# KiCad board LivSynth_Hardware.kicad_pcb
title: Liv Synth; date: 2022-09-04; rev: 0v01; company: SloBlo Labs
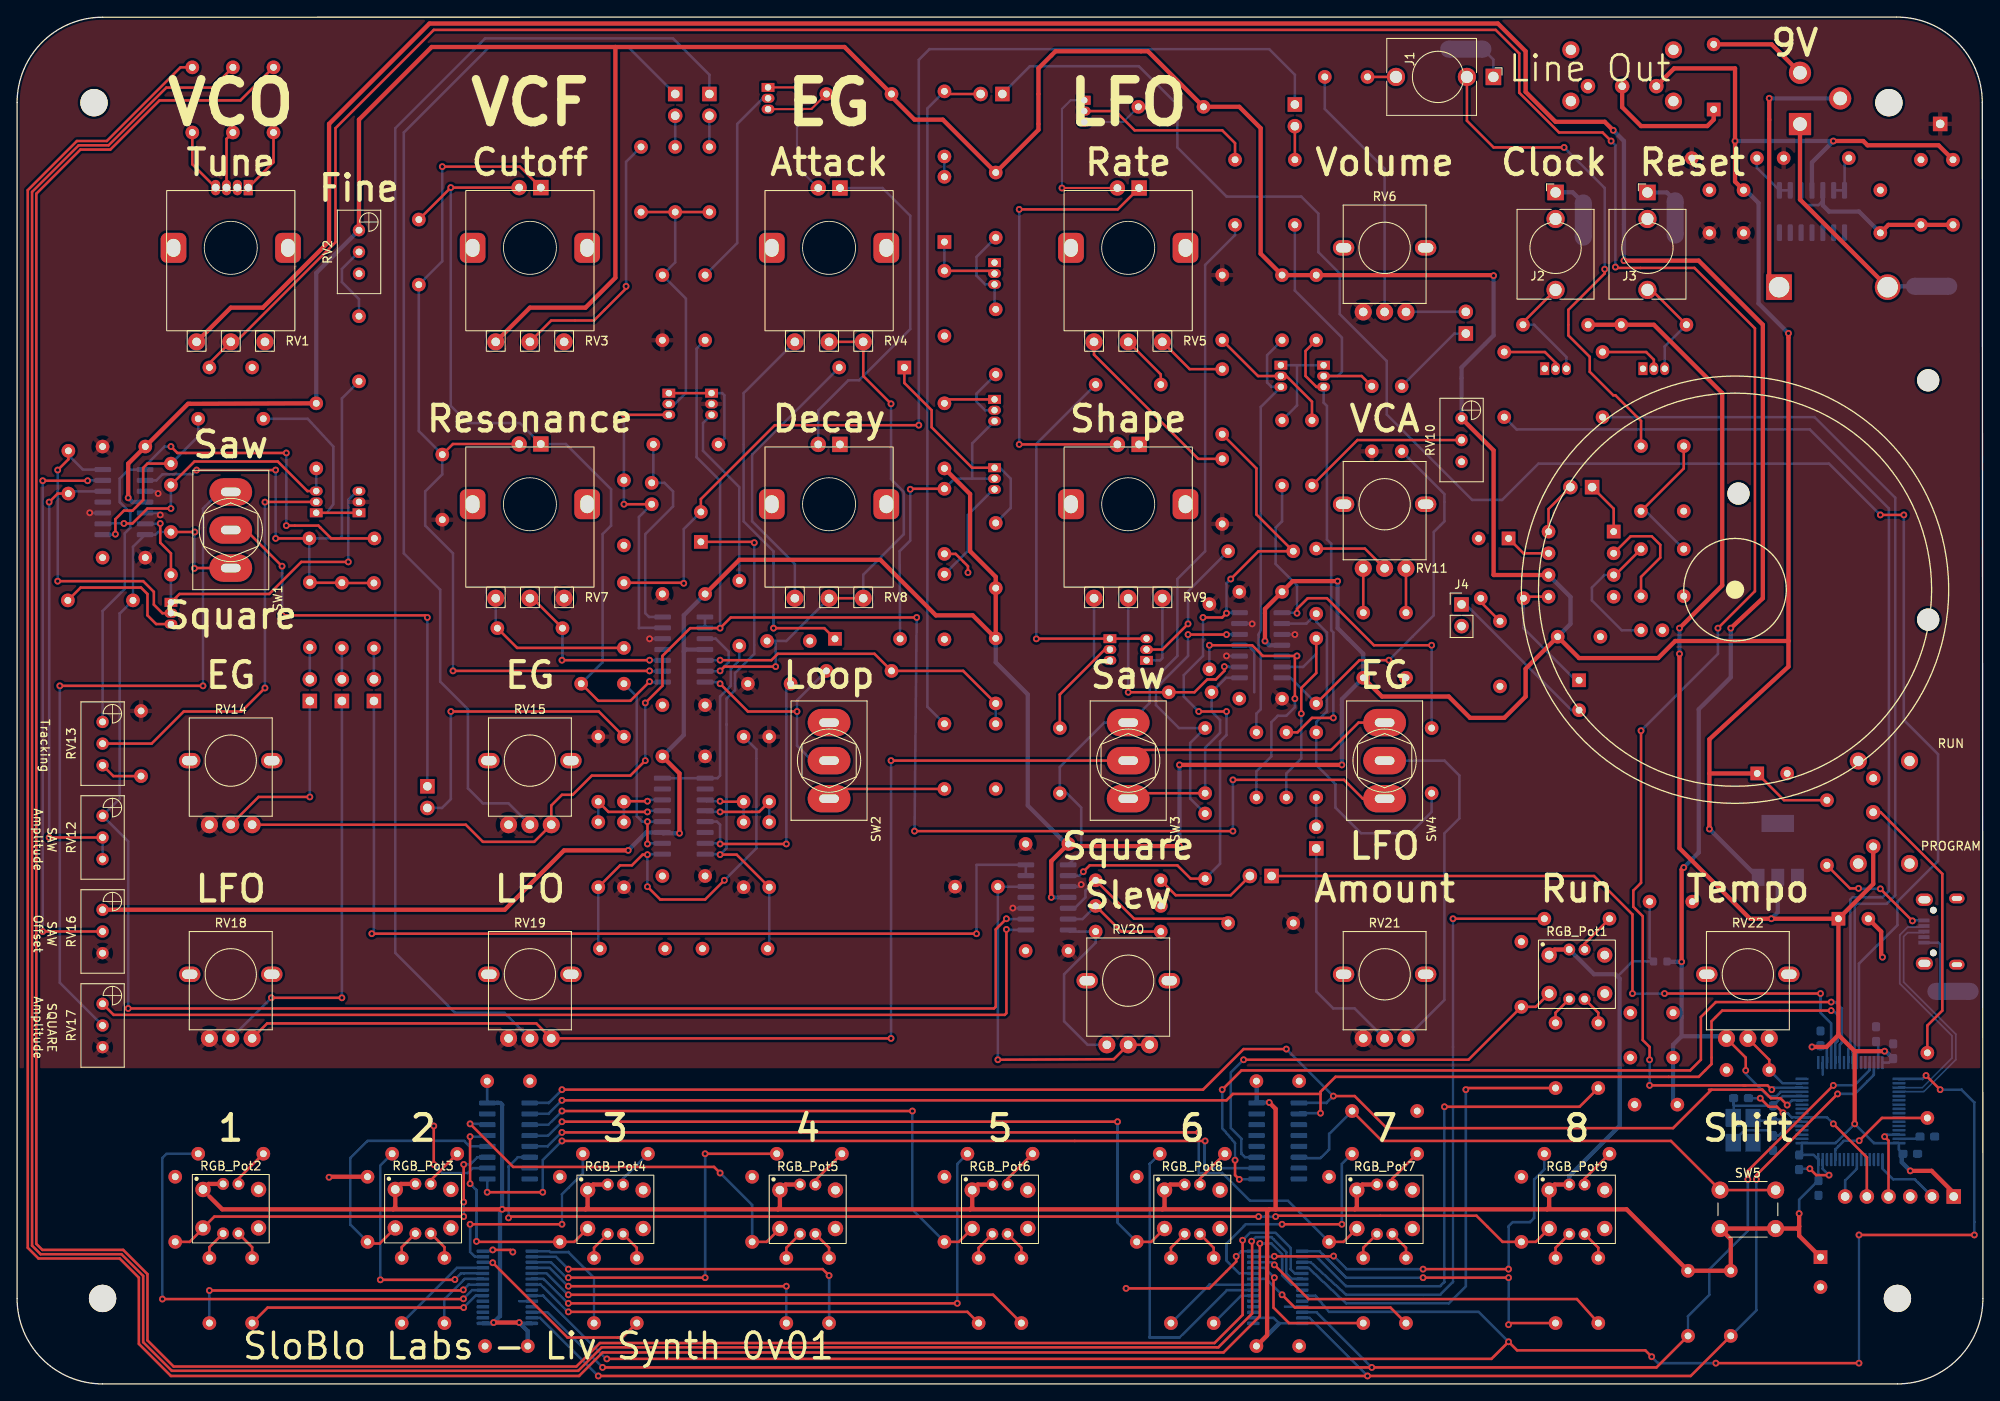
[diagram p0: board, top side]
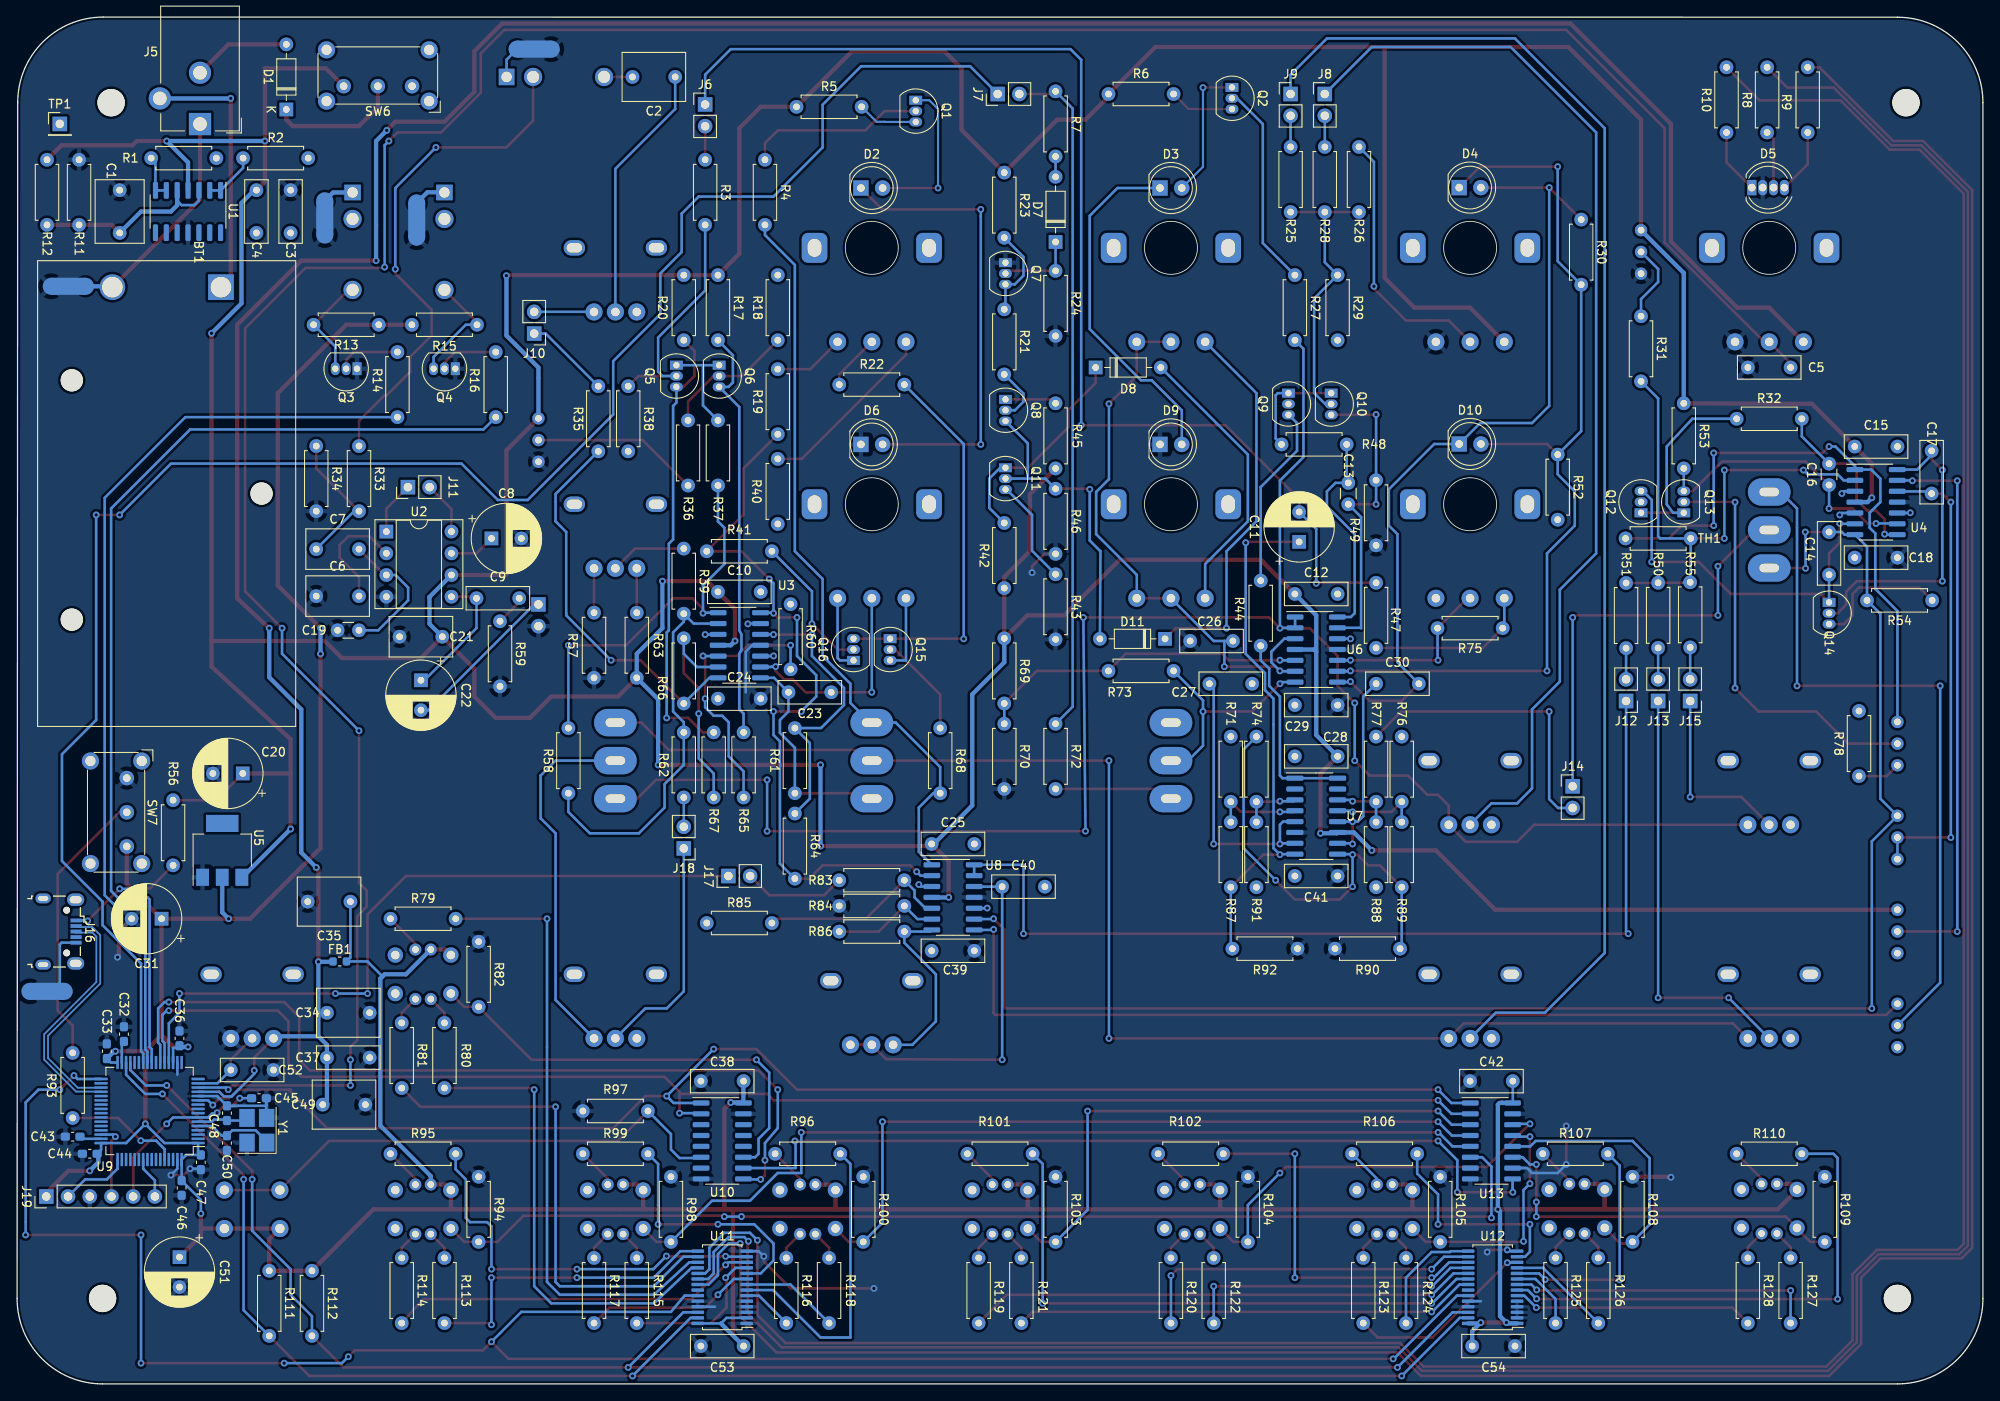
[diagram p1: board, bottom side, seen from below]

Outline 230 x 159.93 mm; copper layers: Top, Bottom (plane). Coordinates in mm from the lower left corner of the outline.
Outline path: 0,149.91 arc(2.93,156.99) 10,159.91 219.93,159.93 arc(227,157) 229.93,149.93 230,10 arc(227.07,2.93) 220,0 10,0 arc(2.93,2.93) 0,10 0,149.91
Stack: Top 0.035mm / dielectric 1.51mm FR4 er 4.5 / Bottom 0.035mm

## Placement (name value [footprint] x y rotation side)
BT1  9V  [BatteryHolder_Eagle_12BH611-GR]  206.15 128.33 90 bottom
C1  1u  [C_Rect_L7.2mm_W5.5mm_P5.00mm_FKS2_FKP2_MKS2_MKP2]  218 134.68 90 bottom
C2  1u  [C_Rect_L7.2mm_W5.5mm_P5.00mm_FKS2_FKP2_MKS2_MKP2]  153 152.93 0 bottom
C3  100n  [C_Rect_L7.2mm_W2.5mm_P5.00mm_FKS2_FKP2_MKS2_MKP2]  198 134.68 90 bottom
C4  100n  [C_Rect_L7.2mm_W2.5mm_P5.00mm_FKS2_FKP2_MKS2_MKP2]  202 139.68 270 bottom
C5  100n  [C_Rect_L7.2mm_W2.5mm_P5.00mm_FKS2_FKP2_MKS2_MKP2]  22.5 118.93 0 bottom
C6  270n  [C_Rect_L7.2mm_W4.5mm_P5.00mm_FKS2_FKP2_MKS2_MKP2]  195 92.18 180 bottom
C7  270n  [C_Rect_L7.2mm_W4.5mm_P5.00mm_FKS2_FKP2_MKS2_MKP2]  195 97.68 180 bottom
C8  10u  [CP_Radial_D8.0mm_P3.50mm]  174.5 98.93 180 bottom
C9  100n  [C_Rect_L7.2mm_W2.5mm_P5.00mm_FKS2_FKP2_MKS2_MKP2]  176.25 91.93 180 bottom
C10  100n  [C_Rect_L7.2mm_W2.5mm_P5.00mm_FKS2_FKP2_MKS2_MKP2]  148 92.68 180 bottom
C11  33u  [CP_Radial_D8.0mm_P3.50mm]  80 98.53 90 bottom
C12  100n  [C_Rect_L7.2mm_W2.5mm_P5.00mm_FKS2_FKP2_MKS2_MKP2]  80.5 92.43 180 bottom
C13  1p  [C_Disc_D3.0mm_W1.6mm_P2.50mm]  74.25 102.93 90 bottom
C14  100n  [C_Rect_L7.2mm_W2.5mm_P5.00mm_FKS2_FKP2_MKS2_MKP2]  18 94.68 90 bottom
C15  100n  [C_Rect_L7.2mm_W2.5mm_P5.00mm_FKS2_FKP2_MKS2_MKP2]  15 109.68 180 bottom
C16  1p  [C_Disc_D3.0mm_W1.6mm_P2.50mm]  18 105.18 90 bottom
C17  1n  [C_Rect_L7.2mm_W2.5mm_P5.00mm_FKS2_FKP2_MKS2_MKP2]  6 104.18 90 bottom
C18  100n  [C_Rect_L7.2mm_W2.5mm_P5.00mm_FKS2_FKP2_MKS2_MKP2]  15 96.68 180 bottom
C19  47p  [C_Disc_D3.0mm_W1.6mm_P2.50mm]  192.5 88.18 180 bottom
C20  10U  [CP_Radial_D8.0mm_P3.50mm]  203.6 71.43 0 bottom
C21  270n  [C_Rect_L7.2mm_W4.5mm_P5.00mm_FKS2_FKP2_MKS2_MKP2]  180.25 87.43 0 bottom
C22  470u  [CP_Radial_D8.0mm_P3.50mm]  182.75 82.33 270 bottom
C23  100n  [C_Rect_L7.2mm_W2.5mm_P5.00mm_FKS2_FKP2_MKS2_MKP2]  134.75 80.93 0 bottom
C24  100n  [C_Rect_L7.2mm_W2.5mm_P5.00mm_FKS2_FKP2_MKS2_MKP2]  148 80.18 180 bottom
C25  100n  [C_Rect_L7.2mm_W2.5mm_P5.00mm_FKS2_FKP2_MKS2_MKP2]  123 63.18 180 bottom
C26  10n  [C_Rect_L7.2mm_W2.5mm_P5.00mm_FKS2_FKP2_MKS2_MKP2]  87.75 86.93 0 bottom
C27  1n  [C_Rect_L7.2mm_W2.5mm_P5.00mm_FKS2_FKP2_MKS2_MKP2]  90.5 81.93 180 bottom
C28  100n  [C_Rect_L7.2mm_W2.5mm_P5.00mm_FKS2_FKP2_MKS2_MKP2]  75.5 73.43 0 bottom
C29  100n  [C_Rect_L7.2mm_W2.5mm_P5.00mm_FKS2_FKP2_MKS2_MKP2]  80.5 79.43 180 bottom
C30  1n  [C_Rect_L7.2mm_W2.5mm_P5.00mm_FKS2_FKP2_MKS2_MKP2]  71 81.93 180 bottom
C31  22u  [CP_Radial_D8.0mm_P3.50mm]  213.1 54.43 0 bottom
C32  2.2u  [C_0603_1608Metric_Pad1.08x0.95mm_HandSolder]  217.5 40.93 90 bottom
C33  100n  [C_0603_1608Metric_Pad1.08x0.95mm_HandSolder]  219.5 38.93 90 bottom
C34  1u  [C_Rect_L7.2mm_W5.5mm_P5.00mm_FKS2_FKP2_MKS2_MKP2]  193.75 43.43 180 bottom
C35  1u  [C_Rect_L7.2mm_W5.5mm_P5.00mm_FKS2_FKP2_MKS2_MKP2]  191 56.43 0 bottom
C36  100n  [C_0603_1608Metric_Pad1.08x0.95mm_HandSolder]  211 40.43 90 bottom
C37  10n  [C_Rect_L7.2mm_W2.5mm_P5.00mm_FKS2_FKP2_MKS2_MKP2]  193.75 38.18 180 bottom
C38  100n  [C_Rect_L7.2mm_W2.5mm_P5.00mm_FKS2_FKP2_MKS2_MKP2]  145 35.43 0 bottom
C39  100n  [C_Rect_L7.2mm_W2.5mm_P5.00mm_FKS2_FKP2_MKS2_MKP2]  123 50.68 180 bottom
C40  100n  [C_Rect_L7.2mm_W2.5mm_P5.00mm_FKS2_FKP2_MKS2_MKP2]  114.75 58.18 180 bottom
C41  100n  [C_Rect_L7.2mm_W2.5mm_P5.00mm_FKS2_FKP2_MKS2_MKP2]  80.5 59.43 180 bottom
C42  100n  [C_Rect_L7.2mm_W2.5mm_P5.00mm_FKS2_FKP2_MKS2_MKP2]  55 35.43 0 bottom
C43  2.2u  [C_0603_1608Metric_Pad1.08x0.95mm_HandSolder]  223.5 28.93 0 bottom
C44  100n  [C_0603_1608Metric_Pad1.08x0.95mm_HandSolder]  221.5 26.93 0 bottom
C45  100n  [C_0603_1608Metric_Pad1.08x0.95mm_HandSolder]  201.7 33.43 180 bottom
C46  100n  [C_0603_1608Metric_Pad1.08x0.95mm_HandSolder]  210.75 22.93 270 bottom
C47  100n  [C_0603_1608Metric_Pad1.08x0.95mm_HandSolder]  208.5 25.93 270 bottom
C48  26p  [C_0603_1608Metric_Pad1.08x0.95mm_HandSolder]  205.45 31.68 90 bottom
C49  1u  [C_Rect_L7.2mm_W5.5mm_P5.00mm_FKS2_FKP2_MKS2_MKP2]  194.25 32.68 180 bottom
C50  26p  [C_0603_1608Metric_Pad1.08x0.95mm_HandSolder]  205.45 28.18 270 bottom
C51  10u  [CP_Radial_D8.0mm_P3.50mm]  211 14.83 270 bottom
C52  100n  [C_Rect_L7.2mm_W2.5mm_P5.00mm_FKS2_FKP2_MKS2_MKP2]  205 36.73 180 bottom
C53  100n  [C_Rect_L7.2mm_W2.5mm_P5.00mm_FKS2_FKP2_MKS2_MKP2]  145 4.43 0 bottom
C54  100n  [C_Rect_L7.2mm_W2.5mm_P5.00mm_FKS2_FKP2_MKS2_MKP2]  59.75 4.43 180 bottom
D1  1N4148  [D_DO-35_SOD27_P7.62mm_Horizontal]  198.5 149.12 90 bottom
D2  LED  [LED_D5.0mm]  131.28 139.93 180 bottom
D3  LED  [LED_D5.0mm]  96.28 139.93 180 bottom
D4  LED  [LED_D5.0mm]  61.28 139.98 180 bottom
D5  LED_RKGB  [LED_D5.0mm-4_RGB]  27.04 139.98 180 bottom
D6  LED  [LED_D5.0mm]  131.28 109.93 180 bottom
D7  1N4148  [D_DO-35_SOD27_P7.62mm_Horizontal]  108.5 133.62 90 bottom
D8  1N4148  [D_DO-35_SOD27_P7.62mm_Horizontal]  103.81 118.93 180 bottom
D9  LED  [LED_D5.0mm]  96.28 109.93 180 bottom
D10  LED  [LED_D5.0mm]  61.28 109.98 180 bottom
D11  1N4148  [D_DO-35_SOD27_P7.62mm_Horizontal]  95.69 87.18 0 bottom
FB1  120R@100MHz  [L_0603_1608Metric]  192.25 49.43 180 bottom
H1  MountingHole  [MountingHole_3.2mm_M3]  9 149.91 0 top
H2  MountingHole  [MountingHole_3.2mm_M3]  219 149.91 0 top
H3  MountingHole  [MountingHole_3.2mm_M3]  10 10 0 top
H4  MountingHole  [MountingHole_3.2mm_M3]  220 10 0 top
J1  PJ398SM  [Thonkiconn_PJ398SM]  166.25 152.93 270 top
J2  PJ398SM  [Thonkiconn_PJ398SM]  180 132.93 0 top
J3  PJ398SM  [Thonkiconn_PJ398SM]  190.75 132.93 0 top
J4  IDC  [PinHeader_1x02_P2.54mm_Vertical]  169 91.2 0 top
J5  Barrel_Jack_Switch  [BarrelJack_CUI_PJ-102AH_Horizontal]  208.6 147.41 0 bottom
J6  Jumper  [PinHeader_1x02_P2.54mm_Vertical]  149.5 149.7 180 bottom
J7  Jumper  [PinHeader_1x02_P2.54mm_Vertical]  115.28 150.93 90 bottom
J8  Jumper  [PinHeader_1x02_P2.54mm_Vertical]  77 150.93 180 bottom
J9  Jumper  [PinHeader_1x02_P2.54mm_Vertical]  81 150.93 180 bottom
J10  Jumper  [PinHeader_1x02_P2.54mm_Vertical]  169.5 122.9 0 bottom
J11  Jumper  [PinHeader_1x02_P2.54mm_Vertical]  184.27 104.93 90 bottom
J12  Jumper  [PinHeader_1x02_P2.54mm_Vertical]  41.75 79.9 0 bottom
J13  Jumper  [PinHeader_1x02_P2.54mm_Vertical]  38 79.9 0 bottom
J14  Jumper  [PinHeader_1x02_P2.54mm_Vertical]  48 69.93 180 bottom
J15  Jumper  [PinHeader_1x02_P2.54mm_Vertical]  34.25 79.9 0 bottom
J16  USB_B_Micro  [USB_Micro-B_Wuerth_629105150521]  225 52.93 270 bottom
J17  Jumper  [PinHeader_1x02_P2.54mm_Vertical]  146.78 59.43 90 bottom
J18  Jumper  [PinHeader_1x02_P2.54mm_Vertical]  152 62.65 0 bottom
J19  SWD  [PinHeader_1x06_P2.54mm_Vertical]  226.58 21.93 90 bottom
NT1  NetTie_2  [NetTie-2_SMD_Pad2.0mm]  169.5 156.18 0 bottom
NT2  NetTie_2  [NetTie-2_SMD_Pad2.0mm]  224 128.43 180 bottom
NT3  NetTie_2  [NetTie-2_SMD_Pad2.0mm]  194 136.43 90 bottom
NT4  NetTie_2  [NetTie-2_SMD_Pad2.0mm]  183.25 136.18 270 bottom
NT5  NetTie_2  [NetTie-2_SMD_Pad2.0mm]  226.5 45.93 180 bottom
Q1  2N3904  [TO-92_Inline]  124.86 150.2 270 bottom
Q2  2N3904  [TO-92_Inline]  87.86 151.7 270 bottom
Q3  2N3904  [TO-92_Inline]  190.23 118.79 0 bottom
Q4  2N3904  [TO-92_Inline]  178.73 118.79 0 bottom
Q5  2N3904  [TO-92_Inline]  152.86 119.2 270 bottom
Q6  2N3904  [TO-92_Inline]  147.86 119.2 270 bottom
Q7  2N3904  [TO-92_Inline]  114.36 131.2 270 bottom
Q8  2N3906  [TO-92_Inline]  114.36 115.2 270 bottom
Q9  2N3906  [TO-92_Inline]  81.25 115.93 270 bottom
Q10  2N3906  [TO-92_Inline]  76.25 115.93 270 bottom
Q11  2N3906  [TO-92_Inline]  114.36 107.2 270 bottom
Q12  2N3904  [TO-92_Inline]  40 101.93 90 bottom
Q13  2N3904  [TO-92_Inline]  35 101.93 90 bottom
Q14  2N3904  [TO-92_Inline]  18 91.45 270 bottom
Q15  2N3904  [TO-92_Inline]  127.86 87.2 270 bottom
Q16  2N3904  [TO-92_Inline]  132.14 84.66 90 bottom
R1  10R  [R_Axial_DIN0207_L6.3mm_D2.5mm_P7.62mm_Horizontal]  214.31 143.43 180 bottom
R2  10R  [R_Axial_DIN0207_L6.3mm_D2.5mm_P7.62mm_Horizontal]  203.56 143.43 180 bottom
R3  100K  [R_Axial_DIN0207_L6.3mm_D2.5mm_P7.62mm_Horizontal]  149.5 143.24 270 bottom
R4  100K  [R_Axial_DIN0207_L6.3mm_D2.5mm_P7.62mm_Horizontal]  142.5 143.24 270 bottom
R5  360  [R_Axial_DIN0207_L6.3mm_D2.5mm_P7.62mm_Horizontal]  138.81 149.43 180 bottom
R6  360  [R_Axial_DIN0207_L6.3mm_D2.5mm_P7.62mm_Horizontal]  102.31 150.93 180 bottom
R7  100K  [R_Axial_DIN0207_L6.3mm_D2.5mm_P7.62mm_Horizontal]  108.5 151.24 270 bottom
R8  1K  [R_Axial_DIN0207_L6.3mm_D2.5mm_P7.62mm_Horizontal]  25.25 146.43 90 bottom
R9  1K  [R_Axial_DIN0207_L6.3mm_D2.5mm_P7.62mm_Horizontal]  20.5 146.43 90 bottom
R10  220R  [R_Axial_DIN0207_L6.3mm_D2.5mm_P7.62mm_Horizontal]  30 146.43 90 bottom
R11  1M  [R_Axial_DIN0207_L6.3mm_D2.5mm_P7.62mm_Horizontal]  222.75 135.62 90 bottom
R12  1M  [R_Axial_DIN0207_L6.3mm_D2.5mm_P7.62mm_Horizontal]  226.5 143.24 270 bottom
R13  1K  [R_Axial_DIN0207_L6.3mm_D2.5mm_P7.62mm_Horizontal]  187.69 123.93 0 bottom
R14  10K  [R_Axial_DIN0207_L6.3mm_D2.5mm_P7.62mm_Horizontal]  185.5 113.12 90 bottom
R15  1K  [R_Axial_DIN0207_L6.3mm_D2.5mm_P7.62mm_Horizontal]  183.81 123.93 180 bottom
R16  10K  [R_Axial_DIN0207_L6.3mm_D2.5mm_P7.62mm_Horizontal]  174 113.12 90 bottom
R17  20K  [R_Axial_DIN0207_L6.3mm_D2.5mm_P7.62mm_Horizontal]  148 129.74 270 bottom
R18  390  [R_Axial_DIN0207_L6.3mm_D2.5mm_P7.62mm_Horizontal]  141 122.12 90 bottom
R19  2K  [R_Axial_DIN0207_L6.3mm_D2.5mm_P7.62mm_Horizontal]  141 111.12 90 bottom
R20  20K  [R_Axial_DIN0207_L6.3mm_D2.5mm_P7.62mm_Horizontal]  152 129.74 270 bottom
R21  10K  [R_Axial_DIN0207_L6.3mm_D2.5mm_P7.62mm_Horizontal]  114.5 125.74 270 bottom
R22  100R  [R_Axial_DIN0207_L6.3mm_D2.5mm_P7.62mm_Horizontal]  133.81 116.93 180 bottom
R23  100K  [R_Axial_DIN0207_L6.3mm_D2.5mm_P7.62mm_Horizontal]  114.5 141.74 270 bottom
R24  100K  [R_Axial_DIN0207_L6.3mm_D2.5mm_P7.62mm_Horizontal]  108.5 130.24 270 bottom
R25  100K  [R_Axial_DIN0207_L6.3mm_D2.5mm_P7.62mm_Horizontal]  81 144.74 270 bottom
R26  100K  [R_Axial_DIN0207_L6.3mm_D2.5mm_P7.62mm_Horizontal]  73 144.74 270 bottom
R27  100K  [R_Axial_DIN0207_L6.3mm_D2.5mm_P7.62mm_Horizontal]  80.5 129.74 270 bottom
R28  100K  [R_Axial_DIN0207_L6.3mm_D2.5mm_P7.62mm_Horizontal]  77 144.74 270 bottom
R29  2K  [R_Axial_DIN0207_L6.3mm_D2.5mm_P7.62mm_Horizontal]  75.5 129.74 270 bottom
R30  10K  [R_Axial_DIN0207_L6.3mm_D2.5mm_P7.62mm_Horizontal]  47 136.24 270 bottom
R31  100K  [R_Axial_DIN0207_L6.3mm_D2.5mm_P7.62mm_Horizontal]  40 124.93 270 bottom
R32  2K  [R_Axial_DIN0207_L6.3mm_D2.5mm_P7.62mm_Horizontal]  28.81 112.93 180 bottom
R33  100K  [R_Axial_DIN0207_L6.3mm_D2.5mm_P7.62mm_Horizontal]  190 109.74 270 bottom
R34  20K  [R_Axial_DIN0207_L6.3mm_D2.5mm_P7.62mm_Horizontal]  195 109.74 270 bottom
R35  1K  [R_Axial_DIN0207_L6.3mm_D2.5mm_P7.62mm_Horizontal]  162 109.12 90 bottom
R36  100K  [R_Axial_DIN0207_L6.3mm_D2.5mm_P7.62mm_Horizontal]  151.5 112.74 270 bottom
R37  10K  [R_Axial_DIN0207_L6.3mm_D2.5mm_P7.62mm_Horizontal]  148 112.74 270 bottom
R38  390  [R_Axial_DIN0207_L6.3mm_D2.5mm_P7.62mm_Horizontal]  158.5 116.74 270 bottom
R39  100K  [R_Axial_DIN0207_L6.3mm_D2.5mm_P7.62mm_Horizontal]  152 97.74 270 bottom
R40  2K  [R_Axial_DIN0207_L6.3mm_D2.5mm_P7.62mm_Horizontal]  141 108.24 270 bottom
R41  1M  [R_Axial_DIN0207_L6.3mm_D2.5mm_P7.62mm_Horizontal]  141.69 97.43 0 bottom
R42  100K  [R_Axial_DIN0207_L6.3mm_D2.5mm_P7.62mm_Horizontal]  114.5 93.12 90 bottom
R43  200  [R_Axial_DIN0207_L6.3mm_D2.5mm_P7.62mm_Horizontal]  108.5 94.74 270 bottom
R44  4K7  [R_Axial_DIN0207_L6.3mm_D2.5mm_P7.62mm_Horizontal]  84.5 86.37 90 bottom
R45  200  [R_Axial_DIN0207_L6.3mm_D2.5mm_P7.62mm_Horizontal]  108.5 107.12 90 bottom
R46  100K  [R_Axial_DIN0207_L6.3mm_D2.5mm_P7.62mm_Horizontal]  108.5 104.74 270 bottom
R47  8K2  [R_Axial_DIN0207_L6.3mm_D2.5mm_P7.62mm_Horizontal]  71 93.74 270 bottom
R48  2K  [R_Axial_DIN0207_L6.3mm_D2.5mm_P7.62mm_Horizontal]  82.06 109.93 180 bottom
R49  1M  [R_Axial_DIN0207_L6.3mm_D2.5mm_P7.62mm_Horizontal]  71 98.12 90 bottom
R50  100K  [R_Axial_DIN0207_L6.3mm_D2.5mm_P7.62mm_Horizontal]  38 86.12 90 bottom
R51  100K  [R_Axial_DIN0207_L6.3mm_D2.5mm_P7.62mm_Horizontal]  41.75 86.09 90 bottom
R52  3K3  [R_Axial_DIN0207_L6.3mm_D2.5mm_P7.62mm_Horizontal]  49.75 108.74 270 bottom
R53  20K  [R_Axial_DIN0207_L6.3mm_D2.5mm_P7.62mm_Horizontal]  35 114.74 270 bottom
R54  1K  [R_Axial_DIN0207_L6.3mm_D2.5mm_P7.62mm_Horizontal]  5.94 91.68 0 bottom
R55  100K  [R_Axial_DIN0207_L6.3mm_D2.5mm_P7.62mm_Horizontal]  34.25 86.18 90 bottom
R56  220  [R_Axial_DIN0207_L6.3mm_D2.5mm_P7.62mm_Horizontal]  211.75 60.68 90 bottom
R57  24K  [R_Axial_DIN0207_L6.3mm_D2.5mm_P7.62mm_Horizontal]  162.5 90.24 270 bottom
R58  52K  [R_Axial_DIN0207_L6.3mm_D2.5mm_P7.62mm_Horizontal]  165.5 69.12 90 bottom
R59  10R  [R_Axial_DIN0207_L6.3mm_D2.5mm_P7.62mm_Horizontal]  173.5 89.24 270 bottom
R60  100K  [R_Axial_DIN0207_L6.3mm_D2.5mm_P7.62mm_Horizontal]  139.5 91.24 270 bottom
R61  80K  [R_Axial_DIN0207_L6.3mm_D2.5mm_P7.62mm_Horizontal]  139 69.12 90 bottom
R62  100K  [R_Axial_DIN0207_L6.3mm_D2.5mm_P7.62mm_Horizontal]  152 68.62 90 bottom
R63  24K  [R_Axial_DIN0207_L6.3mm_D2.5mm_P7.62mm_Horizontal]  157.5 82.62 90 bottom
R64  100K  [R_Axial_DIN0207_L6.3mm_D2.5mm_P7.62mm_Horizontal]  139 66.74 270 bottom
R65  1K  [R_Axial_DIN0207_L6.3mm_D2.5mm_P7.62mm_Horizontal]  145 76.24 270 bottom
R66  100K  [R_Axial_DIN0207_L6.3mm_D2.5mm_P7.62mm_Horizontal]  152 79.62 90 bottom
R67  1K  [R_Axial_DIN0207_L6.3mm_D2.5mm_P7.62mm_Horizontal]  148.5 76.24 270 bottom
R68  1M  [R_Axial_DIN0207_L6.3mm_D2.5mm_P7.62mm_Horizontal]  122 76.74 270 bottom
R69  150K  [R_Axial_DIN0207_L6.3mm_D2.5mm_P7.62mm_Horizontal]  114.5 87.24 270 bottom
R70  150K  [R_Axial_DIN0207_L6.3mm_D2.5mm_P7.62mm_Horizontal]  114.5 77.24 270 bottom
R71  200  [R_Axial_DIN0207_L6.3mm_D2.5mm_P7.62mm_Horizontal]  88 68.12 90 bottom
R72  100K  [R_Axial_DIN0207_L6.3mm_D2.5mm_P7.62mm_Horizontal]  108.5 77.24 270 bottom
R73  30K  [R_Axial_DIN0207_L6.3mm_D2.5mm_P7.62mm_Horizontal]  102.31 83.43 180 bottom
R74  10K  [R_Axial_DIN0207_L6.3mm_D2.5mm_P7.62mm_Horizontal]  85 75.74 270 bottom
R75  2K2  [R_Axial_DIN0207_L6.3mm_D2.5mm_P7.62mm_Horizontal]  56.19 88.43 0 bottom
R76  200  [R_Axial_DIN0207_L6.3mm_D2.5mm_P7.62mm_Horizontal]  68 68.12 90 bottom
R77  10K  [R_Axial_DIN0207_L6.3mm_D2.5mm_P7.62mm_Horizontal]  71 75.74 270 bottom
R78  390  [R_Axial_DIN0207_L6.3mm_D2.5mm_P7.62mm_Horizontal]  14.5 71.12 90 bottom
R79  220R  [R_Axial_DIN0207_L6.3mm_D2.5mm_P7.62mm_Horizontal]  186.31 54.43 180 bottom
R80  220R  [R_Axial_DIN0207_L6.3mm_D2.5mm_P7.62mm_Horizontal]  180 34.62 90 bottom
R81  470R  [R_Axial_DIN0207_L6.3mm_D2.5mm_P7.62mm_Horizontal]  185 42.24 270 bottom
R82  10K  [R_Axial_DIN0207_L6.3mm_D2.5mm_P7.62mm_Horizontal]  176 51.74 270 bottom
R83  100K  [R_Axial_DIN0207_L6.3mm_D2.5mm_P7.62mm_Horizontal]  133.81 58.93 180 bottom
R84  100K  [R_Axial_DIN0207_L6.3mm_D2.5mm_P7.62mm_Horizontal]  133.81 55.93 180 bottom
R85  340K  [R_Axial_DIN0207_L6.3mm_D2.5mm_P7.62mm_Horizontal]  149.31 53.93 180 bottom
R86  100K  [R_Axial_DIN0207_L6.3mm_D2.5mm_P7.62mm_Horizontal]  133.81 52.93 180 bottom
R87  10K  [R_Axial_DIN0207_L6.3mm_D2.5mm_P7.62mm_Horizontal]  88 65.74 270 bottom
R88  200  [R_Axial_DIN0207_L6.3mm_D2.5mm_P7.62mm_Horizontal]  71 58.12 90 bottom
R89  10K  [R_Axial_DIN0207_L6.3mm_D2.5mm_P7.62mm_Horizontal]  68 65.74 270 bottom
R90  10K  [R_Axial_DIN0207_L6.3mm_D2.5mm_P7.62mm_Horizontal]  75.81 50.93 180 bottom
R91  200  [R_Axial_DIN0207_L6.3mm_D2.5mm_P7.62mm_Horizontal]  85 58.12 90 bottom
R92  10K  [R_Axial_DIN0207_L6.3mm_D2.5mm_P7.62mm_Horizontal]  80.19 50.93 0 bottom
R93  10K  [R_Axial_DIN0207_L6.3mm_D2.5mm_P7.62mm_Horizontal]  223.5 38.74 270 bottom
R94  10K  [R_Axial_DIN0207_L6.3mm_D2.5mm_P7.62mm_Horizontal]  176 24.24 270 bottom
R95  220R  [R_Axial_DIN0207_L6.3mm_D2.5mm_P7.62mm_Horizontal]  186.31 26.93 180 bottom
R96  220R  [R_Axial_DIN0207_L6.3mm_D2.5mm_P7.62mm_Horizontal]  141.31 26.93 180 bottom
R97  10K  [R_Axial_DIN0207_L6.3mm_D2.5mm_P7.62mm_Horizontal]  156.19 31.93 0 bottom
R98  10K  [R_Axial_DIN0207_L6.3mm_D2.5mm_P7.62mm_Horizontal]  153.5 24.24 270 bottom
R99  220R  [R_Axial_DIN0207_L6.3mm_D2.5mm_P7.62mm_Horizontal]  163.81 26.93 180 bottom
R100  10K  [R_Axial_DIN0207_L6.3mm_D2.5mm_P7.62mm_Horizontal]  131 24.24 270 bottom
R101  220R  [R_Axial_DIN0207_L6.3mm_D2.5mm_P7.62mm_Horizontal]  118.81 26.93 180 bottom
R102  220R  [R_Axial_DIN0207_L6.3mm_D2.5mm_P7.62mm_Horizontal]  96.5 26.93 180 bottom
R103  10K  [R_Axial_DIN0207_L6.3mm_D2.5mm_P7.62mm_Horizontal]  108.5 24.24 270 bottom
R104  10K  [R_Axial_DIN0207_L6.3mm_D2.5mm_P7.62mm_Horizontal]  86 24.24 270 bottom
R105  10K  [R_Axial_DIN0207_L6.3mm_D2.5mm_P7.62mm_Horizontal]  63.5 24.24 270 bottom
R106  220R  [R_Axial_DIN0207_L6.3mm_D2.5mm_P7.62mm_Horizontal]  73.81 26.93 180 bottom
R107  220R  [R_Axial_DIN0207_L6.3mm_D2.5mm_P7.62mm_Horizontal]  51.5 26.93 180 bottom
R108  10K  [R_Axial_DIN0207_L6.3mm_D2.5mm_P7.62mm_Horizontal]  41 24.24 270 bottom
R109  10K  [R_Axial_DIN0207_L6.3mm_D2.5mm_P7.62mm_Horizontal]  18.5 24.24 270 bottom
R110  220R  [R_Axial_DIN0207_L6.3mm_D2.5mm_P7.62mm_Horizontal]  28.81 26.93 180 bottom
R111  4K7  [R_Axial_DIN0207_L6.3mm_D2.5mm_P7.62mm_Horizontal]  200.5 13.24 270 bottom
R112  4K7  [R_Axial_DIN0207_L6.3mm_D2.5mm_P7.62mm_Horizontal]  195.5 13.24 270 bottom
R113  220R  [R_Axial_DIN0207_L6.3mm_D2.5mm_P7.62mm_Horizontal]  180 7.12 90 bottom
R114  470R  [R_Axial_DIN0207_L6.3mm_D2.5mm_P7.62mm_Horizontal]  185 14.74 270 bottom
R115  220R  [R_Axial_DIN0207_L6.3mm_D2.5mm_P7.62mm_Horizontal]  157.5 7.12 90 bottom
R116  470R  [R_Axial_DIN0207_L6.3mm_D2.5mm_P7.62mm_Horizontal]  140 14.74 270 bottom
R117  470R  [R_Axial_DIN0207_L6.3mm_D2.5mm_P7.62mm_Horizontal]  162.5 14.74 270 bottom
R118  220R  [R_Axial_DIN0207_L6.3mm_D2.5mm_P7.62mm_Horizontal]  135 7.12 90 bottom
R119  470R  [R_Axial_DIN0207_L6.3mm_D2.5mm_P7.62mm_Horizontal]  117.5 14.74 270 bottom
R120  470R  [R_Axial_DIN0207_L6.3mm_D2.5mm_P7.62mm_Horizontal]  95 14.74 270 bottom
R121  220R  [R_Axial_DIN0207_L6.3mm_D2.5mm_P7.62mm_Horizontal]  112.5 7.12 90 bottom
R122  220R  [R_Axial_DIN0207_L6.3mm_D2.5mm_P7.62mm_Horizontal]  90 7.12 90 bottom
R123  470R  [R_Axial_DIN0207_L6.3mm_D2.5mm_P7.62mm_Horizontal]  72.5 14.74 270 bottom
R124  220R  [R_Axial_DIN0207_L6.3mm_D2.5mm_P7.62mm_Horizontal]  67.5 7.12 90 bottom
R125  470R  [R_Axial_DIN0207_L6.3mm_D2.5mm_P7.62mm_Horizontal]  50 14.74 270 bottom
R126  220R  [R_Axial_DIN0207_L6.3mm_D2.5mm_P7.62mm_Horizontal]  45 7.12 90 bottom
R127  220R  [R_Axial_DIN0207_L6.3mm_D2.5mm_P7.62mm_Horizontal]  22.5 7.12 90 bottom
R128  470R  [R_Axial_DIN0207_L6.3mm_D2.5mm_P7.62mm_Horizontal]  27.5 14.74 270 bottom
RGB_Pot1  -  [TC002-N11AS2XT-RGB]  182.5 47.93 0 top
RGB_Pot2  -  [TC002-N11AS2XT-RGB]  25 20.5 0 top
RGB_Pot3  -  [TC002-N11AS2XT-RGB]  47.5 20.5 0 top
RGB_Pot4  -  [TC002-N11AS2XT-RGB]  70 20.43 0 top
RGB_Pot5  -  [TC002-N11AS2XT-RGB]  92.5 20.43 0 top
RGB_Pot6  -  [TC002-N11AS2XT-RGB]  115 20.43 0 top
RGB_Pot7  -  [TC002-N11AS2XT-RGB]  160 20.43 0 top
RGB_Pot8  -  [TC002-N11AS2XT-RGB]  137.5 20.43 0 top
RGB_Pot9  -  [TC002-N11AS2XT-RGB]  182.5 20.43 0 top
RV1  10K  [RV141F-40-20BL]  25 132.93 0 top
RV2  100  [Potentiometer_Bourns_3296W_Vertical]  40 134.99 90 top
RV3  100K  [RV141F-40-20BL]  60 132.93 0 top
RV4  100K  [RV141F-40-20BL]  95 132.93 0 top
RV5  100K  [RV141F-40-20BL]  130 132.93 0 top
RV6  100K  [Alpha_RD901F]  160 132.93 0 top
RV7  10K  [RV141F-40-20BL]  60 102.93 0 top
RV8  100K  [RV141F-40-20BL]  95 102.93 0 top
RV9  100k  [RV141F-40-20BL]  130 102.93 0 top
RV10  100K  [Potentiometer_Bourns_3296W_Vertical]  169 112.98 90 top
RV11  100K  [Alpha_RD901F]  160 102.93 0 top
RV12  100K  [Potentiometer_Bourns_3296W_Vertical]  10 66.48 90 top